# KiCad board AmigaPCI Mainboard.kicad_pcb (continued)
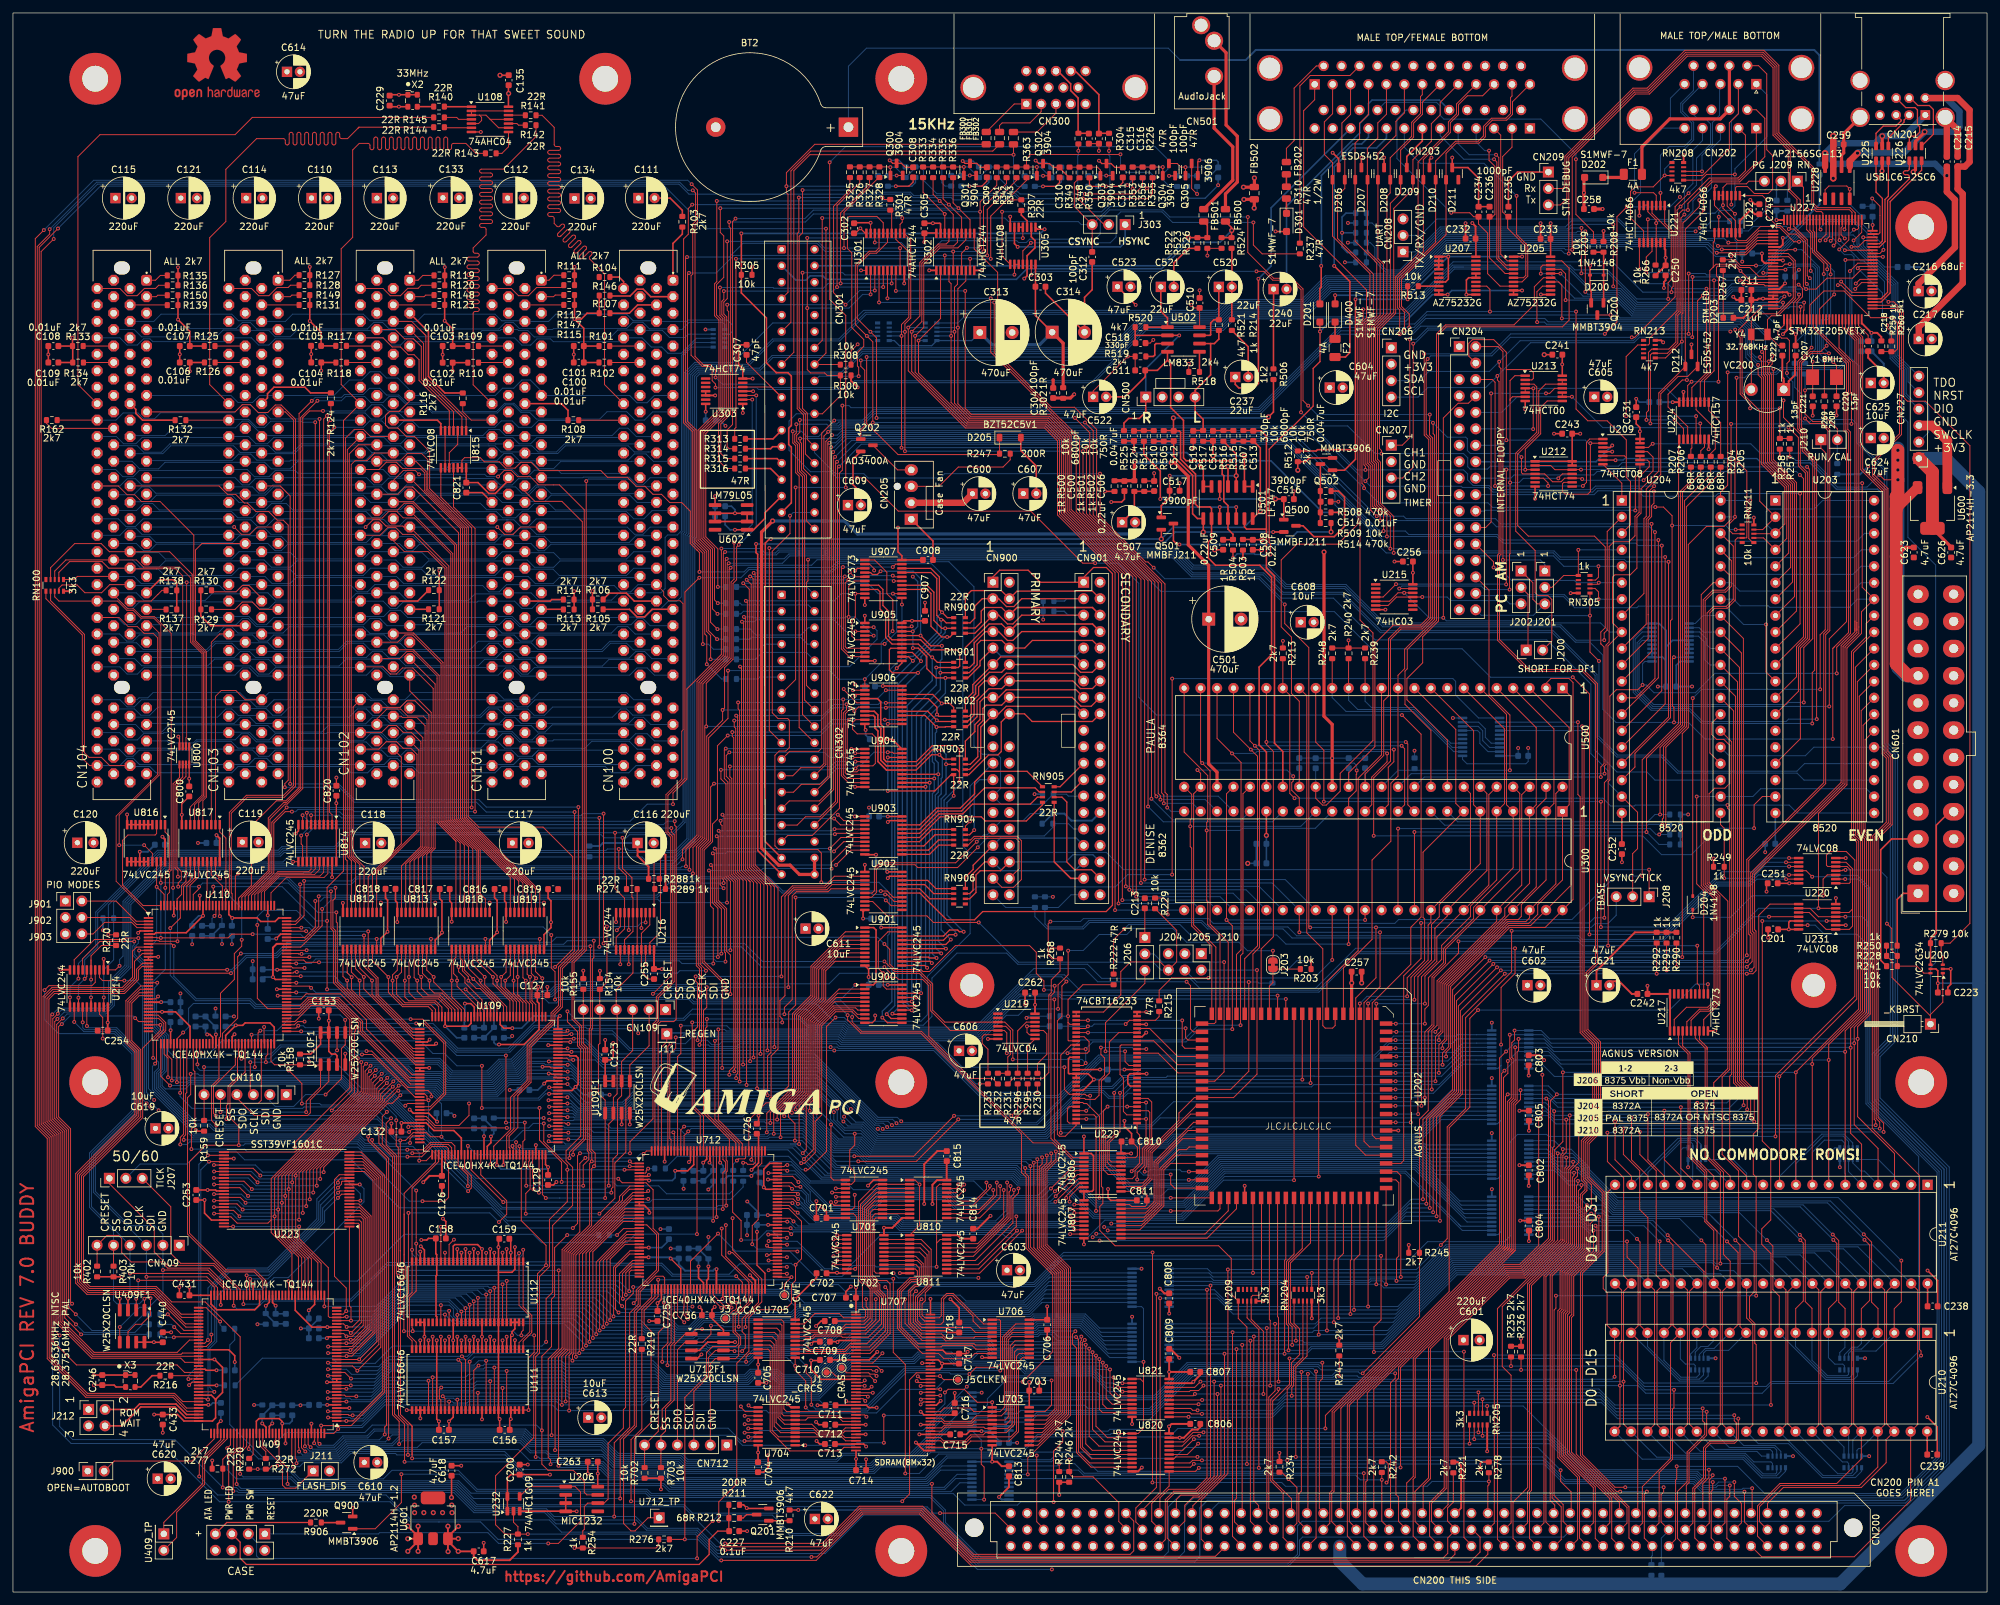
[diagram p0: board, top side]
## Routing (per net, layer and track width the routed paths; a pad name or vN(x,y) marks a point on that pad's centre or on a via; arc(x,y) is an arc through that point) (continued)
LVA17: length 169.2
  Top w0.15: v1(74.33,47) 74.32,46.99 U112.49 ; v1(94.16,45.28) 94.1,45.34 94.1,49.19 95.61,50.7 U712.32 ; U223.48 v1(33.99,56.44) ; v1(44.19,56.44) 44.19,54.59 48.69,50.09 48.69,42.6 48.88,42.41 U409.33 51.05,42.41 51.15,42.51 v1(51.53,42.51)
  Bottom w0.15: v1(33.99,56.44) v1(44.19,56.44) ; U805.7 160.59,47.97 160.58,47.97 159.99,47.97 156.37,44.35 120.53,44.35 119.03,45.85 101.05,45.85 100.48,45.28 v1(94.16,45.28) 92.45,47 v1(74.33,47) 73.56,47 73.33,47.22 60.07,47.22 55.36,42.51 v1(51.53,42.51)
LVA18: length 163.4
  Top w0.15: v1(94.63,45.89) 94.62,45.89 94.62,49.29 95.54,50.2 U712.33 ; v1(75.59,47.52) 75.59,47.51 U112.51 ; U223.17 50.38,64.44 49.65,63.71 49.65,48.75 51.46,46.94 v1(51.46,43.38) 50.99,42.91 U409.34
  Bottom w0.15: v1(51.46,43.38) 55.8,43.38 59.94,47.52 v1(75.59,47.52) 93,47.52 v1(94.63,45.89) 100.53,45.89 100.79,46.15 120.69,46.15 122.19,44.65 156.12,44.65 159.96,48.5 ; 159.96,48.5 160.1,48.63 ; 159.96,48.5 160.1,48.62 U805.8
LVA19: length 142.1
  Top w0.15: U712.34 95.46,49.7 95.15,49.39 v1(95.15,46.45) ; U112.52 76.23,48.03 v1(76.24,48.05) ; U409.37 v1(48.08,44.12)
  Bottom w0.15: U805.9 160.32,49.27 156,44.95 147.14,44.95 146.25,45.84 121.42,45.84 120.82,46.45 v1(95.15,46.45) 93.56,48.05 v1(76.24,48.05) 60.04,48.05 56.11,44.12 v1(48.08,44.12)
LVA20: length 187.9
  Top w0.15: U111.43 v1(70.51,35.58) ; v1(164.14,39.38) 164.51,39.01 164.51,27.84 164.51,27.84 164.51,21.66 166.24,19.94 U820.8 ; v1(86.39,35.73) 86.4,35.74 86.4,36.63 86.59,36.82 86.59,52.14 95.65,61.2 U712.11 ; v1(48.64,34.4) 49.98,34.4
  Bottom w0.15: v1(164.14,39.38) 161.46,39.38 160.72,40.12 158.5,40.12 158.15,39.76 129.35,39.76 123.12,33.54 118.93,33.54 118.07,34.4 113.81,34.4 112.95,33.54 101.01,33.54 98.82,35.73 v1(86.39,35.73) 85.82,36.3 71.23,36.3 v1(70.51,35.58) 70.28,35.34 57.88,35.34 56.15,33.62 52.28,33.62 51.5,34.4 v1(48.64,34.4)
LVA21: length 156.4
  Top w0.15: v1(48.63,33.41) U409.15 ; U820.6 166.31,21.24 165.12,22.43 165.12,34.74 165.11,34.74 165.11,38.55 v1(165.49,38.92) ; U111.44 71.15,34.23 v1(71.89,34.97)
  Bottom w0.15: v1(165.49,38.92) 165.05,38.49 159.96,38.49 159.78,38.66 151.4,38.66 150.9,39.16 129.6,39.16 123.37,32.94 118.68,32.94 117.82,33.8 114.06,33.8 113.2,32.94 100.76,32.94 99.02,34.68 85.29,34.68 84.77,35.19 72.81,35.19 72.59,34.97 v1(71.89,34.97) 71.66,34.75 58.15,34.75 55.84,32.44 49.6,32.44 v1(48.63,33.41)
LVA22: length 134.5
  Top w0.15: v1(52.45,27.28) 51.88,27.28 51.76,27.41 U409.3 ; v1(71.79,30.76) 71.78,30.75 U111.45 ; v1(169.38,34.37) 169.38,30.74 170.46,29.65 U821.6
  Bottom w0.15: v1(169.38,34.37) 167.4,34.37 167.17,34.59 156.6,34.59 155.54,35.65 145.48,35.65 144.67,36.45 139.94,36.45 139.08,35.59 129.42,35.59 124.37,30.54 95.85,30.54 95.79,30.48 85.83,30.48 85.55,30.76 v1(71.79,30.76) 57.56,30.76 54.09,27.28 v1(52.45,27.28)
LVA23: length 155.2
  Top w0.15: v1(52.19,32.96) 51.24,33.91 U409.16 ; 73.06,28.1 73.06,35.71 v1(73.06,35.72) ; v1(164.96,39.45) 164.96,38.85 164.81,38.71 164.81,28.19 164.81,28.19 164.81,22.31 166.54,20.58 U820.7
  Bottom w0.15: v1(52.19,32.96) 55.94,32.96 58.03,35.05 71.22,35.05 71.9,35.72 v1(73.06,35.72) 84.67,35.72 85.19,35.2 98.92,35.2 100.89,33.24 113.07,33.24 113.93,34.1 117.95,34.1 118.81,33.24 123.25,33.24 129.47,39.46 158.27,39.46 158.62,39.81 160.27,39.81 161.3,38.78 164.29,38.78 v1(164.96,39.45)
LVA24: length 143.1
  Top w0.15: U821.9 168.24,27.7 167.74,28.2 v1(167.74,35.97) ; U111.48 v1(73.69,32.56) ; U409.8 v1(48.61,29.91)
  Bottom w0.15: v1(167.74,35.97) 156.5,35.97 155.71,36.76 151.16,36.76 150.25,37.66 130.22,37.66 123.99,31.44 100.14,31.44 99.53,32.06 85.53,32.06 85.02,32.57 71.61,32.57 71.15,32.11 57.64,32.11 55.23,29.69 52.26,29.69 52.02,29.94 48.63,29.94 v1(48.61,29.91)
LVA25: length 150.6
  Top w0.15: v1(165.64,38.19) 165.64,38.18 165.64,22.89 166.64,21.88 U820.5 ; v1(74.33,34.67) 74.32,34.66 U111.49 ; U409.12 v1(52.16,31.91)
  Bottom w0.15: v1(165.64,38.19) 151.46,38.19 150.78,38.87 129.72,38.87 123.5,32.64 118.56,32.64 117.7,33.5 114.18,33.5 113.32,32.64 100.64,32.64 99.12,34.15 85.39,34.15 84.87,34.67 v1(74.33,34.67) 72.88,34.67 72.66,34.44 58.28,34.44 55.74,31.91 v1(52.16,31.91)
LVA26: length 140.1
  Top w0.15: v1(75.6,31.51) 75.59,31.51 U111.51 ; v1(168.8,34.89) 168.8,29.94 169.74,29 U821.7 ; U409.4 v1(48.63,27.91)
  Bottom w0.15: v1(48.63,27.91) 48.71,27.83 54.21,27.83 57.44,31.06 70.97,31.06 71.43,31.51 v1(75.6,31.51) 85.22,31.51 85.73,31 99.73,31 99.89,30.84 124.24,30.84 129.3,35.89 138.96,35.89 139.82,36.75 144.8,36.75 145.6,35.95 148.15,35.95 149.05,36.84 150.23,36.84 150.91,36.16 155.46,36.16 156.73,34.89 v1(168.8,34.89)
LVA27: length 148.6
  Top w0.15: v1(166.17,37.58) 166.17,37.58 166.17,24.06 167.69,22.53 U820.4 ; U409.11 51.46,31.41 v1(51.48,31.38) ; U111.52 v1(76.23,34.14)
  Bottom w0.15: v1(166.17,37.58) 166.1,37.66 151.56,37.66 150.65,38.56 129.85,38.56 123.62,32.34 118.43,32.34 117.57,33.2 114.31,33.2 113.45,32.34 100.51,32.34 99.22,33.63 85.29,33.63 84.78,34.14 v1(76.23,34.14) 58.4,34.14 55.64,31.38 v1(51.48,31.38)
LVA28: length 135.6
  Top w0.15: v1(66.37,30.23) 66.71,29.9 U111.37 ; v1(169.94,33.14) 169.94,31.06 170.69,30.31 U821.5 ; v1(48.65,26.95) 48.69,26.91 U409.2
  Bottom w0.15: v1(48.65,26.95) 52.04,26.95 52.23,26.76 53.99,26.76 57.46,30.23 v1(66.37,30.23) 85.65,30.23 85.93,29.95 97.31,29.95 97.59,30.24 124.49,30.24 129.54,35.29 139.2,35.29 140.06,36.15 144.55,36.15 145.35,35.35 155.42,35.35 156.48,34.29 167.05,34.29 168.19,33.14 v1(169.94,33.14)
LVA29: length 138.5
  Top w0.15: v1(66.13,31.58) 65.84,31.29 65.84,29.89 66.07,29.65 U111.36 ; U821.8 168.89,28.35 168.26,28.99 v1(168.26,35.43) ; U409.7 v1(51.49,29.41)
  Bottom w0.15: v1(168.26,35.43) 156.61,35.43 155.58,36.46 151.03,36.46 150.35,37.14 148.92,37.14 148.03,36.25 145.73,36.25 144.92,37.06 139.69,37.06 138.83,36.19 129.17,36.19 124.12,31.14 100.02,31.14 99.63,31.53 85.63,31.53 85.12,32.04 71.53,32.04 71.07,31.58 v1(66.13,31.58) 57.54,31.58 55.35,29.39 51.5,29.39 v1(51.49,29.41)
LVA30: length 144
  Top w0.15: U111.33 64.16,32.63 v1(64.16,32.63) ; v1(167.21,36.51) 167.21,25.62 169,23.83 U820.2 ; v1(53.01,30.22) 51.39,30.22 51.2,30.41 U409.9
  Bottom w0.15: v1(167.21,36.51) 156.38,36.51 155.83,37.06 151.28,37.06 150.38,37.96 130.09,37.96 123.87,31.74 100.26,31.74 99.42,32.58 85.43,32.58 84.92,33.09 70.97,33.09 70.51,32.63 v1(64.16,32.63) 57.74,32.63 55.33,30.22 v1(53.01,30.22)
LVA31: length 149
  Top w0.15: U111.34 v1(64.8,33.16) ; v1(166.69,37.04) 166.69,37.04 166.69,25.11 168.62,23.19 U820.3 ; v1(48.61,30.9) 49.98,30.9
  Bottom w0.15: v1(48.61,30.9) 48.65,30.86 55.54,30.86 57.84,33.16 v1(64.8,33.16) 69.88,33.16 70.34,33.62 84.88,33.62 85.4,33.1 99.32,33.1 100.39,32.04 113.57,32.04 114.43,32.9 117.45,32.9 118.31,32.04 123.74,32.04 129.97,38.26 150.53,38.26 151.44,37.36 155.95,37.36 156.27,37.04 v1(166.69,37.04)
LVAD0: length 31.4
  Top w0.15: v1(45.27,102.05) 43.03,102.05 42.99,102.09 U110.104 ; v1(54.2,101.38) 54.2,100.95 54.21,100.94 U812.16 54.21,96.57 56.07,94.71 56.07,92.09 61.72,86.44 U109.2
  Bottom w0.15: v1(45.27,102.05) 45.94,101.38 v1(54.2,101.38)
LVAD1: length 31.9
  Top w0.15: U109.1 61.64,86.94 56.37,92.21 56.37,94.83 54.85,96.35 U812.17 54.85,102.01 v1(54.85,102.02) ; U110.105 v1(44.53,102.59)
  Bottom w0.15: v1(54.85,102.02) 46.32,102.02 45.75,102.59 v1(44.53,102.59)
LVAD2: length 79.9
  Top w0.15: U109.144 64.73,89.8 64.13,90.4 60.16,90.4 57.97,92.59 v1(57.97,94.97) 55.5,97.44 U812.18
  Top w0.25: U111.19 v1(67.34,39.43)
  In2.Cu w0.15: v1(57.97,94.97) 57.97,93.4 66.26,85.11 66.26,72.72 67.31,71.66 67.31,56.88 64.82,54.39 64.82,42.16 67.34,39.64 v1(67.34,39.43)
LVAD3: length 79.4
  Top w0.15: U813.11 59.34,96.02 58.61,95.29 v1(58.61,94.41) 58.61,92.37 60.28,90.7 64.51,90.7 65.23,89.98 U109.143
  Top w0.25: U111.17 v1(68.61,39.43)
  In2.Cu w0.15: v1(68.61,39.43) 67.05,40.99 66.41,40.99 65.12,42.29 65.12,54.26 67.62,56.76 67.62,71.79 66.56,72.84 66.56,85.24 58.61,93.19 v1(58.61,94.41)
LVAD4: length 80.3
  Top w0.15: U813.12 59.99,95.72 v1(59.24,94.97) 59.24,92.28 60.52,91 65.13,91 65.73,90.39 U109.142
  Top w0.25: 69.24,37.5 69.24,38.87
  In2.Cu w0.15: v1(69.24,38.87) 69.24,39.54 67.41,41.37 66.46,41.37 65.42,42.41 65.42,54.14 67.91,56.63 67.91,71.91 66.88,72.94 66.88,85.34 59.24,92.98 v1(59.24,94.97)
LVAD5: length 77.6
  Top w0.15: U813.14 61.29,97.42 61.15,97.28 61.15,94.98 v1(61.14,94.97) 61.14,92.56 62.1,91.6 65.69,91.6 67.23,90.06 U109.139
  Top w0.25: U111.15 v1(69.88,39.43)
  In2.Cu w0.15: v1(61.14,94.97) 61.14,94.95 67.98,88.11 67.98,84.03 67.49,83.54 67.49,73.19 68.51,72.16 68.51,56.38 67.32,55.19 67.32,47.24 67.97,46.59 67.97,42.52 69.88,40.61 v1(69.88,39.43)
LVAD6: length 62.4
  Top w0.15: U109.141 66.23,90.32 65.25,91.3 61.11,91.3 60.51,91.9 v1(60.51,94.41) 60.51,94.42 60.51,97.26 60.64,97.38 U813.13 ; v1(66.7,52.41) 66.71,52.4 U112.20
  In2.Cu w0.15: v1(60.51,94.41) 60.51,92.14 67.19,85.46 67.19,73.07 68.22,72.04 68.22,56.51 66.7,54.99 v1(66.7,52.41)
LVAD7: length 60.9
  Top w0.15: U109.138 67.73,89.98 65.82,91.9 63.3,91.9 62.42,92.78 v1(62.42,94.41) 61.94,94.89 U813.15 ; v1(68.09,54.41) 67.34,53.67 U112.19
  In2.Cu w0.15: v1(62.42,94.41) 68.28,88.55 68.28,74.23 68.81,73.7 68.81,56.01 68.08,55.27 68.08,54.42 v1(68.09,54.41)
LVAD8: length 67.9
  Top w0.15: U109.3 61.79,85.94 55.44,92.29 v1(55.44,94.42) 55.44,94.45 53.56,96.34 U812.15 ; U112.21 v1(66.07,56.4)
  In2.Cu w0.15: v1(55.44,94.42) 56.59,93.27 57.68,93.27 65.96,84.99 65.96,76.58 64.81,75.44 64.81,70.41 67.01,68.21 67.01,57.34 v1(66.07,56.4)
LVAD9: length 60.5
  Top w0.15: U109.137 68.23,89.91 65.94,92.2 64.09,92.2 63.05,93.24 v1(63.05,94.97) 62.59,95.44 U813.16
  Top w0.25: 68.61,51.04 v1(68.61,52.97)
  In2.Cu w0.15: v1(63.05,94.97) 63.05,94.94 68.58,89.41 68.58,74.36 69.12,73.82 69.12,55.88 68.61,55.38 v1(68.61,52.97)
LVAD10: length 58.9
  Top w0.15: U109.136 68.73,90.01 66.24,92.5 65.04,92.5 64.32,93.22 v1(64.32,94.41) ; 64.32,94.42 v1(64.32,94.41) ; v1(64.32,94.41) 64.32,94.45 63.24,95.53 U813.17
  Top w0.25: 69.24,51.04 69.24,52.4
  In2.Cu w0.15: v1(64.32,94.41) 64.32,94.24 68.88,89.68 68.88,74.48 69.41,73.95 69.41,53.93 69.24,53.75 v1(69.24,52.41)
LVAD11: length 58.6
  Top w0.15: U109.135 69.23,89.93 64.96,94.2 v1(64.96,94.97) 63.89,96.04 U813.18
  Top w0.25: 69.88,51.04 v1(69.88,52.97)
  In2.Cu w0.15: v1(64.96,94.97) 64.96,94.02 69.18,89.8 69.18,74.61 69.72,74.07 69.72,55.31 69.88,55.14 v1(69.88,52.97)
LVAD12: length 56.3
  Top w0.15: U109.134 69.73,89.94 67.75,91.92 U818.11
  Top w0.25: 70.5,51.04 70.5,52.4
  In2.Cu w0.15: v1(70.51,52.41) 70.51,54.97 71.23,55.69 71.23,69.54 70.01,70.75 70.01,74.2 69.48,74.73 69.48,89.92 67.75,91.66 v1(67.75,94.41)
LVAD13: length 56.8
  Top w0.15: U109.130 71.73,90.39 68.57,93.55 v1(68.57,94.42) 68.57,94.97 68.04,95.49 68.04,97.67 68.4,98.02 68.4,99.23
  Top w0.25: 71.15,51.04 v1(71.15,52.97)
  In2.Cu w0.15: v1(71.15,52.97) 71.16,52.98 71.16,54.57 71.53,54.94 71.53,69.66 70.31,70.88 70.31,74.32 69.78,74.86 69.78,90.05 68.57,91.26 v1(68.57,94.42)
LVAD14: length 60.4
  Top w0.15: U109.125 74.23,91.1 72.14,93.18 71.54,93.18 v1(70.31,94.41) 70.31,95.02 69.4,95.93 69.4,97.54 69.04,97.89 U818.13 ; U112.12 71.78,52.37 v1(71.79,52.37)
  In2.Cu w0.15: v1(71.79,52.37) 71.81,52.39 71.81,54.47 72.76,55.42 72.76,64.1 71.83,65.03 71.83,70.72 72.99,71.88 72.99,86.09 74.65,87.75 74.65,90.83 73.96,91.51 73.95,91.51 72.89,92.58 72.15,92.58 v1(70.31,94.41)
LVAD15: length 59.7
  Top w0.15: U109.124 74.73,91.02 v1(71.07,94.68) 69.69,96.06 U818.14 ; 73.06,51.05 73.06,52.38 v1(73.06,52.38)
  In2.Cu w0.15: v1(73.06,52.38) 73.06,64.22 72.13,65.15 72.13,70.59 73.29,71.75 73.29,85.97 74.95,87.63 74.95,90.95 73.71,92.19 73.69,92.19 73.01,92.88 72.27,92.88 71.07,94.08 v1(71.07,94.68)
LVAD16: length 58.6
  Top w0.15: U109.122 75.73,90.45 72.21,93.97 v1(72.21,94.41) ; 72.21,94.42 v1(72.21,94.41) ; v1(72.21,94.41) 72.21,94.46 70.34,96.32 U818.15
  Top w0.25: 73.69,51.04 v1(73.69,52.97)
  In2.Cu w0.15: v1(73.69,52.97) 73.7,52.98 73.7,64.38 72.91,65.17 72.91,66.83 74.38,68.3 74.38,86.63 75.25,87.5 75.25,91.34 72.21,94.38 v1(72.21,94.41)
LVAD17: length 60.9
  Top w0.15: U109.121 76.23,90.37 72.84,93.76 v1(72.84,94.98) 71,96.83 71,99.23
  Top w0.25: 74.31,51.04 74.31,52.4
  In2.Cu w0.15: v1(72.84,94.98) 72.84,94.17 77.75,89.26 77.75,77.65 77,76.9 77,70.5 73.21,66.7 73.21,65.3 74.32,64.18 v1(74.32,52.41)
LVAD18: length 59.1
  Top w0.15: U818.17 71.65,97.45 v1(74.11,94.98) 74.12,94.98 74.12,93.92 76.73,91.31 U109.120
  Top w0.25: 75.59,51.04 75.59,52.4
  In2.Cu w0.15: v1(74.11,94.98) 74.11,93.33 78.06,89.38 78.06,77.53 77.31,76.78 77.31,70.26 76.31,69.26 76.31,55.44 75.59,54.72 v1(75.59,52.41)
LVAD19: length 58.2
  Top w0.15: U818.18 72.29,97.64 74.75,95.18 74.75,94.42 v1(74.75,94.41) 74.75,93.71 77.23,91.23 U109.119
  Top w0.25: 76.23,51.04 v1(76.23,52.97)
  In2.Cu w0.15: v1(74.75,94.41) 74.75,93.11 78.35,89.51 78.35,77.4 77.6,76.65 77.6,70.14 76.6,69.14 76.6,54.14 76.23,53.77 v1(76.23,52.97)
LVAD20: length 76.5
  Top w0.15: U819.11 76.14,95.74 v1(75.38,94.98) 75.38,93.52 76.99,91.9 76.99,91.9 77.73,91.16 U109.118
  Top w0.25: 70.5,37.5 70.5,38.87
  In2.Cu w0.15: v1(70.51,38.87) 70.51,41.16 79.47,50.12 79.47,52.91 77.09,55.28 77.09,65.39 78.73,67.03 78.73,69.76 77.91,70.58 77.91,76.53 78.66,77.28 78.66,89.63 75.38,92.91 v1(75.38,94.98)
LVAD21: length 75.6
  Top w0.15: U109.117 78.23,91.08 77.68,91.63 77.68,91.64 76.01,93.32 v1(76.01,94.41) 76.79,95.2 U819.12
  Top w0.25: U111.13 v1(71.15,39.43)
  In2.Cu w0.15: v1(76.01,94.41) 76.01,92.71 78.96,89.76 78.96,77.15 78.21,76.4 78.21,70.71 79.03,69.88 79.03,66.91 77.39,65.27 77.39,55.41 79.77,53.03 79.77,49.99 71.15,41.38 v1(71.15,39.43)
LVAD22: length 74.7
  Top w0.15: 77.4,92.34 78.31,91.43 78.31,91.42 78.73,91.01 U109.116 ; 77.4,92.34 77.29,92.45 v1(77.29,94.41) 77.29,94.42 77.29,97.17 77.44,97.32 U819.13 ; 77.4,92.34 77.29,92.45
  Top w0.25: 71.78,37.5 71.78,38.87
  In2.Cu w0.15: v1(77.29,94.41) 77.29,91.84 79.25,89.88 79.25,77.03 78.5,76.28 78.5,70.83 79.33,70.01 79.33,66.78 77.69,65.14 77.69,55.53 80.07,53.15 80.07,49.87 71.78,41.58 v1(71.78,38.87)
LVAD23: length 74.1
  Top w0.15: U109.115 79.23,90.93 78.87,91.29 78.87,91.3 78.12,92.04 ; 78.12,92.04 77.93,92.24 ; 78.12,92.04 77.93,92.24 v1(77.93,94.98) 77.93,94.99 77.93,97.15 78.09,97.31 U819.14
  Top w0.25: 73.04,37.5 73.04,38.87
  In2.Cu w0.15: v1(73.05,38.87) 73.05,42.43 80.37,49.74 80.37,53.28 77.99,55.66 77.99,65.02 79.63,66.66 79.63,70.13 79.56,70.21 79.56,90 77.93,91.63 v1(77.93,94.98)
LVAD24: length 72.6
  Top w0.15: U109.114 79.73,90.86 79.19,91.4 v1(79.19,94.41) 78.74,94.86 U819.15
  Top w0.25: 73.69,37.5 v1(73.69,39.43)
  In2.Cu w0.15: v1(73.69,39.43) 73.69,42.29 80.67,49.27 80.67,53.4 78.29,55.78 78.29,64.89 79.93,66.53 79.93,70.25 79.85,70.33 79.85,90.15 79.19,90.81 v1(79.19,94.41)
LVAD25: length 74
  Top w0.15: U109.113 80.23,90.78 79.83,91.18 v1(79.83,94.98) 79.39,95.42 U819.16
  Top w0.25: 74.31,37.5 74.31,38.86
  In2.Cu w0.15: v1(74.32,38.87) 74.32,42.5 80.97,49.14 80.97,53.53 78.59,55.9 78.59,64.77 81.31,67.48 81.31,69.3 80.16,70.45 80.16,90.27 79.49,90.94 79.49,93.52 79.83,93.86 v1(79.83,94.98)
LVAD26: length 73.4
  Top w0.15: U109.112 80.73,90.7 80.13,91.3 80.13,94.13 v1(80.78,94.77) 80.78,94.78 80.04,95.52 U819.17
  Top w0.25: 75.59,37.5 75.59,38.86
  In2.Cu w0.15: v1(75.59,38.87) 75.59,43.34 81.27,49.02 81.27,53.65 80.49,54.43 80.49,60.33 79.77,61.05 79.77,65.52 81.6,67.36 81.6,69.43 80.46,70.58 80.46,90.39 79.79,91.06 79.79,93.4 80.38,93.99 80.38,94.38 v1(80.78,94.77)
LVAD27: length 71.9
  Top w0.15: U109.110 v1(81.73,94.77) 80.69,95.81 U819.18
  Top w0.25: 76.23,37.5 v1(76.23,39.43)
  In2.Cu w0.15: v1(81.73,94.77) 81.59,94.77 80.09,93.27 80.09,91.18 80.75,90.52 80.75,70.7 81.91,69.55 81.91,67.24 81.75,67.08 81.75,49.07 76.23,43.56 v1(76.23,39.43)
LVAD28: length 81.6
  Top w0.15: U109.4 61.87,85.44 54.17,93.14 v1(54.17,94.98) 52.91,96.24 U812.14
  Top w0.25: 66.69,37.5 66.69,38.87
  In2.Cu w0.15: v1(54.17,94.98) 54.17,94.2 63.04,85.33 63.04,71.75 65.04,69.75 65.04,55.04 64.52,54.51 64.52,42.04 66.7,39.86 v1(66.7,38.87)
LVAD29: length 82.8
  Top w0.15: U109.7 61.75,83.94 53.53,92.16 v1(53.53,94.42) 53.53,94.45 52.25,95.73 U812.13
  Top w0.25: U111.21 v1(66.07,39.43)
  In2.Cu w0.15: v1(53.53,94.42) 62.75,85.2 62.75,71.63 64.75,69.63 64.75,55.16 64.22,54.64 64.22,41.91 66.07,40.06 v1(66.07,39.43)
LVAD30: length 84.7
  Top w0.15: 50.96,99.23 50.96,95.06 v1(51.6,94.42) 51.6,93.24 61.9,82.94 U109.9
  Top w0.25: 64.16,37.5 64.16,38.87
  In2.Cu w0.15: v1(51.6,94.42) 52.24,94.42 62.15,84.51 62.15,71.38 64.15,69.38 64.15,55.41 63.62,54.88 63.62,41.66 64.17,41.11 64.17,38.88 v1(64.16,38.87)
LVAD31: length 95.7
  Top w0.15: U110.91 43.26,95.59 43.43,95.76 v1(43.83,95.76) ; 52.26,94.98 52.26,93.01 61.83,83.44 U109.8 ; U812.12 51.6,95.76 ; 51.6,95.76 51.6,95.63 ; 51.6,95.76 51.6,95.64 ; 51.6,95.64 v1(52.3,94.94)
  Top w0.25: U111.23 v1(64.8,39.43)
  In2.Cu w0.15: 52.26,94.98 52.26,94.95 62.44,84.76 62.44,71.5 64.44,69.5 64.44,55.28 63.92,54.76 63.92,41.79 64.8,40.91 v1(64.8,39.43)
  Bottom w0.15: 51.48,95.76 v1(52.3,94.94) ; 51.48,95.76 50.56,95.76 ; 51.48,95.76 50.56,95.76 ; 50.56,95.76 v1(43.83,95.76)
LVC1: length 116.1
  Top w0.15: v1(44.5,116.82) 44.5,115.51 44.72,115.28 U814.12 ; v1(102.18,119.03) 102.18,118.41 102.4,118.19 102.4,88.46 102.03,88.09 100.02,88.09 99.62,87.69 U712.142
  Bottom w0.15: v1(44.5,116.82) 44.5,116.83 46.17,118.5 100.45,118.5 100.97,119.03 v1(102.18,119.03)
LVC3: length 112.2
  Top w0.15: U712.143 99.12,87.61 99.63,88.13 99.63,91.79 99.64,91.79 102.1,94.25 102.1,116.95 101.65,117.4 v1(101.65,117.97) ; v1(45.38,116.97) 45.38,116.96 U814.13
  Bottom w0.15: v1(45.38,116.97) 46.39,117.98 101.64,117.98 v1(101.65,117.97)
LVD0: length 248.1
  Top w0.15: U900.9 130.6,88.56 129.55,89.61 127.03,89.61 124.87,87.45 124.87,73.67 123.87,72.67 123.87,67.86 122.24,66.23 v1(121.71,66.23) ; U704.11 113.88,28.51 v1(113.57,28.82) ; U109.62 77.23,68.47 77.13,68.57 v1(77.13,68.88)
  In2.Cu w0.15: v1(121.71,66.23) 121.71,64.48 108.5,51.27 105.73,51.27 103.12,48.67 103.12,38.71 113.01,28.82 v1(113.57,28.82)
  Bottom w0.15: v1(77.13,68.88) 77.13,68.76 78.05,67.83 83.31,67.83 83.76,68.28 119.65,68.28 v1(121.71,66.23) 122.32,66.23 124.78,63.76 154.12,63.76 155.03,62.85 159.46,62.85 159.91,63.3 161.61,63.3 166.89,58.02 180.49,58.02 187.15,64.69 214.93,64.69 223.78,55.84 U802.2
LVD1: length 250.6
  Top w0.15: U704.12 113.07,27.87 112.39,28.54 v1(112.39,28.66) ; U900.7 130.45,89.86 130.1,90.21 126.78,90.21 124.27,87.7 124.27,75.02 123.57,74.32 123.57,68.3 v1(122.12,66.85) ; 77.68,67.58 v1(77.68,69.47)
  In2.Cu w0.15: v1(122.12,66.85) 121.59,66.85 120.98,66.25 120.98,64.18 108.38,51.57 105.61,51.57 102.82,48.79 102.82,38.11 112.27,28.66 v1(112.39,28.66)
  Bottom w0.15: 223.2,56.84 223.56,56.48 ; 223.2,56.84 223.55,56.49 U802.3 ; 223.2,56.84 215.05,64.99 187.03,64.99 180.36,58.32 167.01,58.32 161.74,63.6 159.79,63.6 159.34,63.15 155.16,63.15 154.24,64.06 124.91,64.06 v1(122.12,66.85) 120.39,68.58 83.64,68.58 83.19,68.13 78.18,68.13 77.68,68.63 v1(77.68,69.47)
LVD2: length 248.6
  Top w0.15: U900.5 126.88,91.16 123.67,87.95 123.67,76.53 122.49,75.34 122.49,68.32 v1(121.94,67.77) ; U109.64 78.23,68.82 v1(78.21,68.85) ; U704.13 112.99,27.21 v1(112.98,27.21)
  In2.Cu w0.15: v1(112.98,27.21) 102.53,37.66 102.53,48.92 105.51,51.9 108.28,51.9 120.68,64.3 120.68,66.37 121.94,67.63 v1(121.94,67.77)
  Bottom w0.15: U802.4 224.53,57.14 216.38,65.29 186.9,65.29 181.06,59.44 167.17,59.44 162.72,63.9 159.66,63.9 159.21,63.45 155.28,63.45 154.37,64.37 125.35,64.37 v1(121.94,67.77) 120.83,68.88 83.51,68.88 83.06,68.44 78.62,68.44 v1(78.21,68.85)
LVD3: length 247.2
  Top w0.15: U109.73 82.88,69.44 v1(82.71,69.61) ; v1(121.38,69.19) 121.38,75.09 123.07,76.78 123.07,88.2 127.33,92.46 U900.3 ; v1(113.54,26.57) 113.54,26.56 U704.14
  In2.Cu w0.15: v1(121.38,69.19) 121.38,67.49 120.38,66.49 120.38,64.43 108.15,52.2 105.38,52.2 102.22,49.04 102.22,37.22 112.88,26.57 v1(113.54,26.57)
  Bottom w0.15: 120.03,69.19 v1(121.38,69.19) 121.38,69.08 125.79,64.66 154.49,64.66 155.41,63.75 159.09,63.75 159.54,64.2 162.84,64.2 167.3,59.75 180.93,59.75 186.78,65.59 216.5,65.59 224.3,57.79 U802.5 ; 120.03,69.19 121.27,69.19 ; 120.03,69.19 85.29,69.19 84.87,69.61 v1(82.71,69.61)
LVD4: length 250.2
  Top w0.15: U901.8 127.18,98.05 125.19,96.06 125.19,91.59 122.17,88.57 122.17,77.15 119.74,74.72 119.74,73.34 120.74,72.34 v1(120.74,69.71) ; U109.74 85.7,69.94 v1(85.75,69.89) ; U704.15 112.99,25.91 v1(112.98,25.92)
  In2.Cu w0.15: v1(120.74,69.71) 120.74,67.28 120.08,66.62 120.08,64.55 108.03,52.5 105.26,52.5 101.93,49.16 101.93,36.97 v1(112.98,25.92)
  Bottom w0.15: v1(85.75,69.89) 88.9,69.89 89.08,69.71 v1(120.74,69.71) 121.82,69.71 126.56,64.96 154.62,64.96 155.53,64.05 158.96,64.05 159.41,64.5 162.97,64.5 167.42,60.05 180.81,60.05 186.65,65.89 216.62,65.89 224.07,58.44 U802.6
LVD5: length 254.2
  Top w0.15: v1(113.54,25.26) 113.54,25.26 U704.16 ; U109.75 v1(82.79,70.44) ; v1(118.52,70.24) 118.51,70.24 118.51,74.34 121.57,77.4 121.57,88.82 124.41,91.65 124.41,96.13 127.63,99.35 U901.6
  In2.Cu w0.15: v1(113.54,25.26) 112.9,25.26 101.62,36.53 101.62,49.29 105.14,52.8 107.9,52.8 118.52,63.42 v1(118.52,70.24)
  Bottom w0.15: U802.7 223.85,59.09 216.75,66.19 186.53,66.19 180.68,60.34 167.55,60.34 163.09,64.8 159.29,64.8 158.84,64.35 155.66,64.35 154.74,65.26 126.97,65.26 122,70.24 v1(118.52,70.24) 116.8,70.24 116.57,70.01 89.2,70.01 88.8,70.41 82.81,70.41 v1(82.79,70.44)
LVD6: length 253.7
  Top w0.15: 115.05,24.62 112.97,24.62 v1(112.97,24.61) ; U901.4 128.08,100.65 123.81,96.38 123.81,91.9 120.97,89.07 120.97,77.65 117.47,74.14 117.47,70.76 v1(117.47,70.76) ; U109.76 v1(85.75,70.94)
  In2.Cu w0.15: v1(112.97,24.61) 101.32,36.25 101.32,49.41 105.01,53.1 107.78,53.1 118.22,63.54 118.22,68.92 117.47,69.67 v1(117.47,70.76)
  Bottom w0.15: U802.8 223.62,59.74 216.87,66.49 186.41,66.49 182.14,62.22 178.34,62.22 177.29,61.17 173.16,61.17 169.23,65.1 159.16,65.1 158.71,64.65 155.78,64.65 154.87,65.56 127.09,65.56 121.89,70.76 v1(117.47,70.76) 116.9,70.76 116.45,70.31 89.33,70.31 88.7,70.94 v1(85.75,70.94)
LVD7: length 258.7
  Top w0.15: U109.78 v1(82.79,71.94) ; 116.39,71.28 116.39,73.92 120.37,77.9 120.37,89.32 123.21,92.15 123.21,96.63 128.53,101.95 U901.2 ; v1(113.54,23.96) 113.54,23.96 U704.18
  In2.Cu w0.15: 116.39,71.28 116.39,70.33 117.92,68.8 117.92,63.66 107.66,53.4 104.89,53.4 101.03,49.54 101.03,35.81 112.88,23.96 v1(113.54,23.96)
  Bottom w0.15: U802.9 223.4,60.39 217,66.79 186.28,66.79 182.01,62.52 172.23,62.52 169.35,65.4 159.04,65.4 158.59,64.95 155.94,64.95 155.02,65.87 127.29,65.87 121.87,71.28 116.68,71.28 v1(116.39,70.99) 116.01,70.61 103.84,70.61 102.89,71.56 96.94,71.56 96.67,71.28 92.03,71.28 91.55,71.76 85.17,71.76 85,71.94 v1(82.79,71.94)
LVD8: length 232.5
  Top w0.15: v1(116.94,72.44) 116.94,74.04 120.67,77.77 120.67,89.19 123.51,92.03 123.51,96.5 128.3,101.3 U901.3 ; v1(156.29,65.47) 156.29,64.71 156.79,64.21 156.79,53.16 160.88,49.07 160.88,28.29 159.81,27.21 U703.18 ; U109.79 85.21,72.44 85.36,72.29 v1(85.75,72.29)
  Bottom w0.15: U803.2 219.72,64.49 217.12,67.09 186.16,67.09 181.89,62.82 172.36,62.82 169.48,65.7 158.92,65.7 158.47,65.25 156.74,65.25 156.51,65.47 v1(156.29,65.47) 155.6,66.16 131.78,66.16 130.09,67.85 126.58,67.85 121.99,72.44 v1(116.94,72.44) 116.23,72.44 116.06,72.61 97.46,72.61 96.47,71.62 92.34,71.62 91.68,72.29 v1(85.75,72.29)
LVD9: length 233
  Top w0.15: U703.17 159.58,26.56 161.18,28.17 161.18,49.2 157.09,53.29 v1(157.09,65.77) ; U109.80 v1(82.79,72.94) ; v1(117.99,72.96) 117.99,74.24 121.27,77.52 121.27,88.94 124.11,91.78 124.11,96.25 127.85,100 U901.5
  Bottom w0.15: v1(82.79,72.94) 84.88,72.94 85.01,72.81 86.53,72.81 86.62,72.91 116.41,72.91 116.46,72.96 v1(117.99,72.96) 121.93,72.96 125.7,69.2 125.7,69.16 126.7,68.15 130.21,68.15 131.9,66.46 156.4,66.46 v1(157.09,65.77) 158.57,65.77 158.79,66 169.6,66 172.48,63.12 181.76,63.12 186.03,67.39 217.25,67.39 219.5,65.14 U803.3
LVD10: length 227.9
  Top w0.15: v1(85.63,73.34) 85.31,73.34 85.21,73.44 U109.81 ; U703.16 159.35,25.91 161.48,28.04 161.48,49.32 157.62,53.18 v1(157.62,66.3) ; v1(119.08,73.49) 119.08,74.48 121.87,77.28 121.87,88.69 124.89,91.71 124.89,96.19 127.4,98.7 U901.7
  Bottom w0.15: v1(85.63,73.34) 86.56,73.34 86.69,73.21 95.1,73.21 95.38,73.49 112.68,73.49 113.35,74.16 118.41,74.16 v1(119.08,73.49) 121.83,73.49 126.86,68.45 130.34,68.45 132.02,66.76 157.16,66.76 v1(157.62,66.3) 170.92,66.3 171.57,65.65 178.27,65.65 180.31,67.69 217.37,67.69 219.27,65.79 U803.4
LVD11: length 229.6
  Top w0.15: v1(158.16,66.84) 158.16,53.06 161.78,49.45 161.78,27.92 159.13,25.26 U703.15 ; v1(120.28,74.01) 120.28,74.84 122.47,77.03 122.47,88.45 125.49,91.46 125.49,95.94 126.95,97.4 U901.9 ; U109.82 v1(82.79,73.94)
  Bottom w0.15: U803.5 219.04,66.44 217.49,67.99 180.18,67.99 178.15,65.95 171.69,65.95 171.05,66.6 158.4,66.6 v1(158.16,66.84) 157.94,67.06 132.15,67.06 130.46,68.75 126.99,68.75 121.93,73.81 121.47,73.81 121.27,74.01 v1(120.28,74.01) 119.64,74.01 119.19,74.46 113.23,74.46 112.78,74.01 95.48,74.01 94.98,73.51 86.82,73.51 86.46,73.87 85.03,73.87 84.96,73.94 v1(82.79,73.94)